# KiCad board panel_4_3.kicad_pcb (continued)
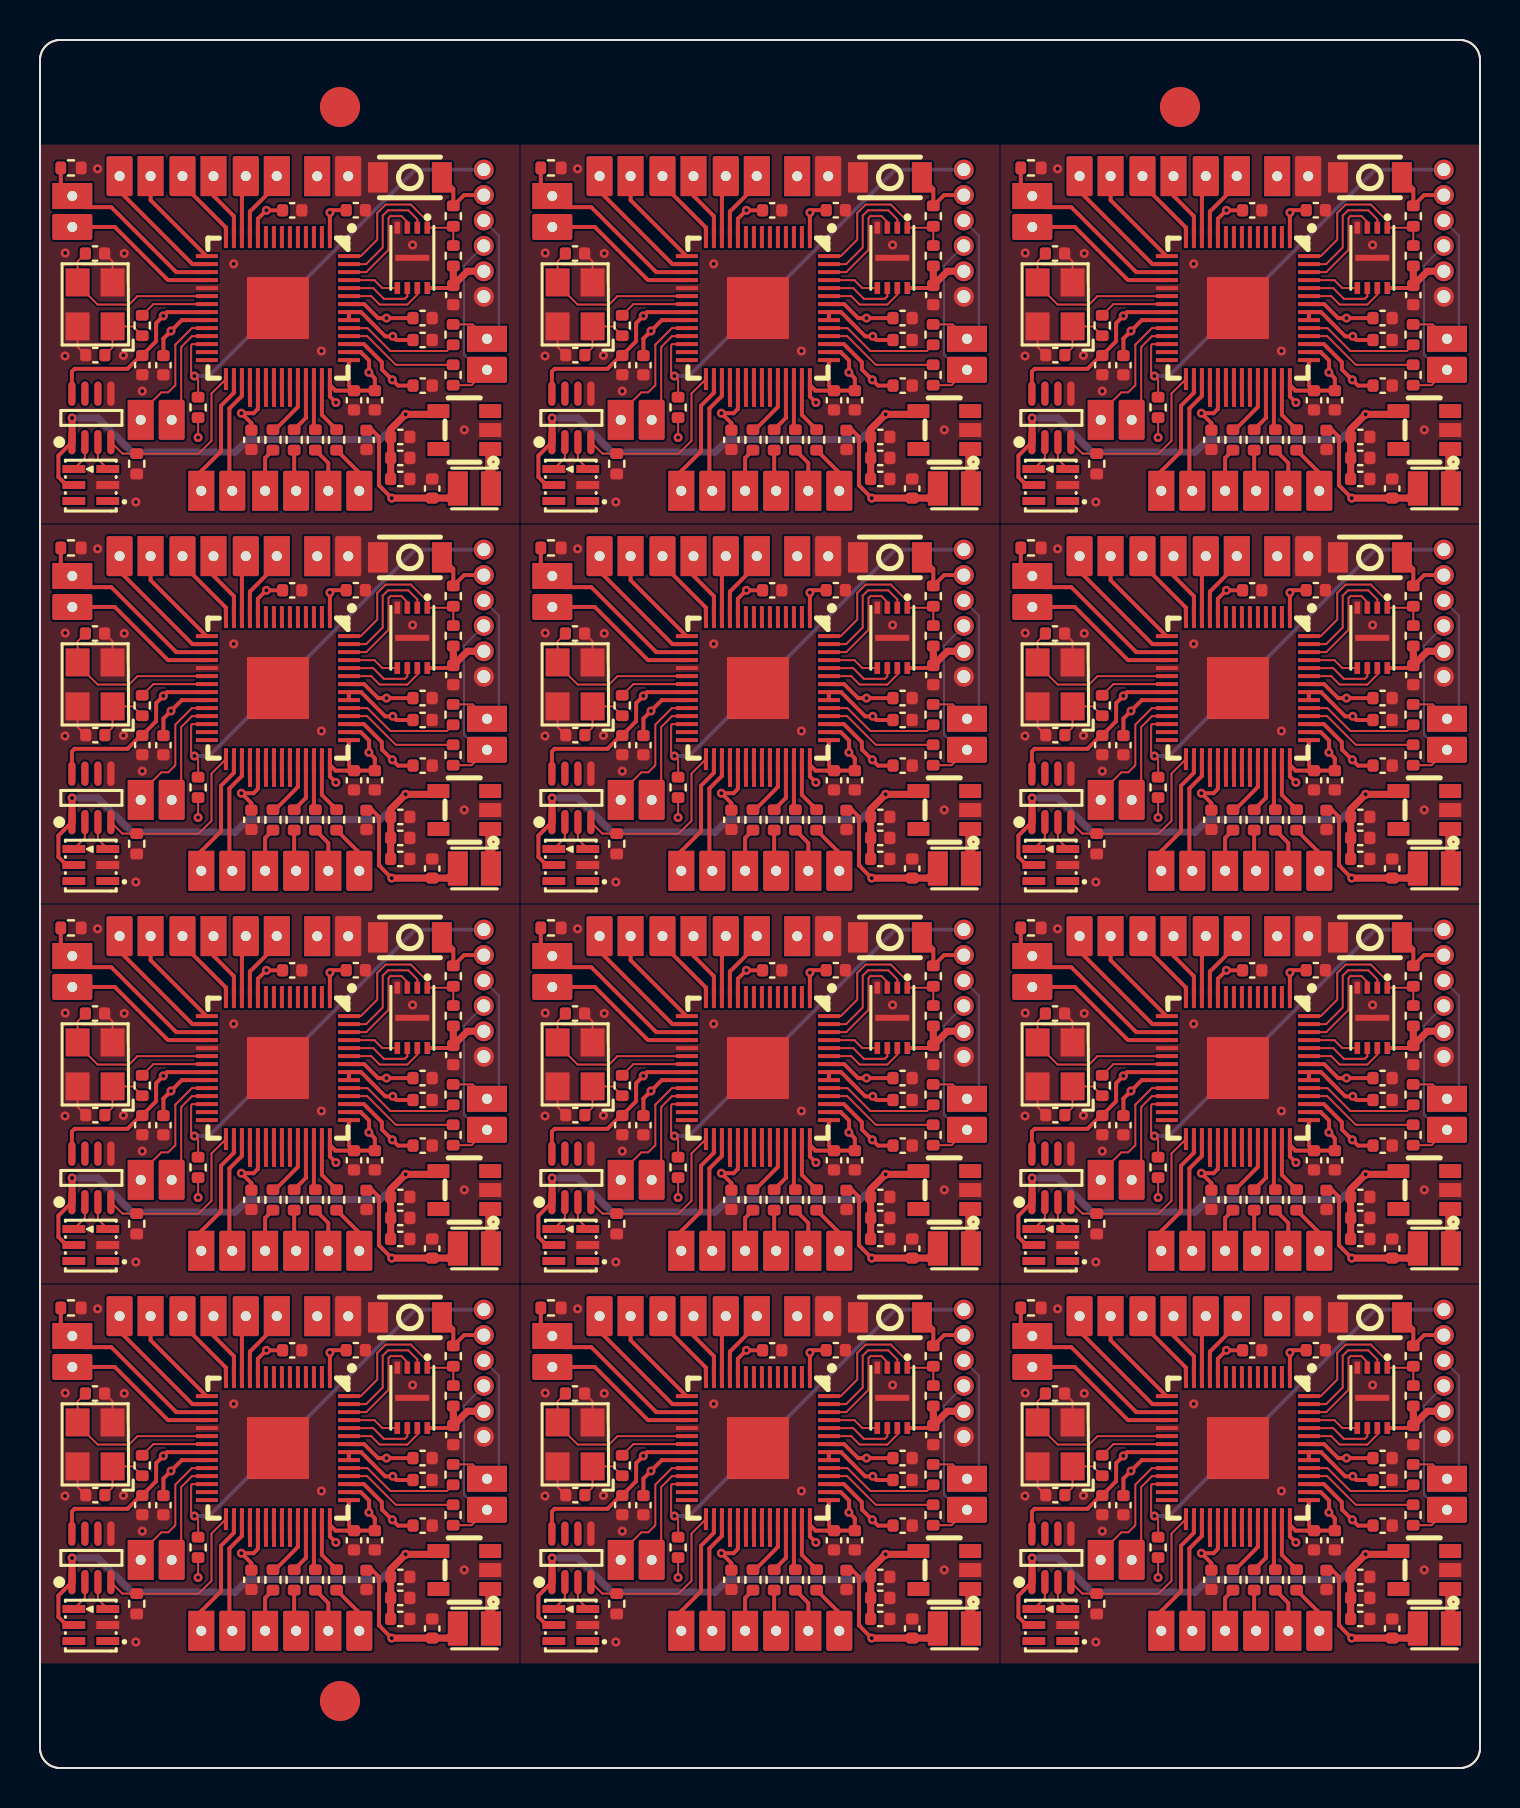
[diagram p0: board, top side]
## Placement (name value [footprint] x y rotation side) (continued)
J8#11  Conn_01x06  [ProgPins_1x06_P1.27mm]  22.19 41.92 0 top
J8#12  Conn_01x06  [ProgPins_1x06_P1.27mm]  22.19 22.92 0 top
J9  Conn_01x02  [TH_Pads_1x02_P1.50mml]  8.68 22.59 270 top
J9#2  Conn_01x02  [TH_Pads_1x02_P1.50mml]  56.68 79.59 270 top
J9#3  Conn_01x02  [TH_Pads_1x02_P1.50mml]  32.68 41.59 270 top
J9#4  Conn_01x02  [TH_Pads_1x02_P1.50mml]  56.68 22.59 270 top
J9#5  Conn_01x02  [TH_Pads_1x02_P1.50mml]  56.68 41.59 270 top
J9#6  Conn_01x02  [TH_Pads_1x02_P1.50mml]  32.68 79.59 270 top
J9#7  Conn_01x02  [TH_Pads_1x02_P1.50mml]  8.68 60.6 270 top
J9#8  Conn_01x02  [TH_Pads_1x02_P1.50mml]  56.68 60.6 270 top
J9#9  Conn_01x02  [TH_Pads_1x02_P1.50mml]  32.68 60.6 270 top
J9#10  Conn_01x02  [TH_Pads_1x02_P1.50mml]  8.68 79.59 270 top
J9#11  Conn_01x02  [TH_Pads_1x02_P1.50mml]  32.68 22.59 270 top
J9#12  Conn_01x02  [TH_Pads_1x02_P1.50mml]  8.68 41.59 270 top
J10  Conn_01x02  [TH_Pads_1x02_P1.50mml]  59.84 79.59 270 top
J10#2  Conn_01x02  [TH_Pads_1x02_P1.50mml]  35.84 41.59 270 top
J10#3  Conn_01x02  [TH_Pads_1x02_P1.50mml]  35.84 22.59 270 top
J10#4  Conn_01x02  [TH_Pads_1x02_P1.50mml]  11.84 41.59 270 top
J10#5  Conn_01x02  [TH_Pads_1x02_P1.50mml]  35.84 79.59 270 top
J10#6  Conn_01x02  [TH_Pads_1x02_P1.50mml]  35.84 60.6 270 top
J10#7  Conn_01x02  [TH_Pads_1x02_P1.50mml]  11.84 60.6 270 top
J10#8  Conn_01x02  [TH_Pads_1x02_P1.50mml]  59.84 60.6 270 top
J10#9  Conn_01x02  [TH_Pads_1x02_P1.50mml]  59.84 41.59 270 top
J10#10  Conn_01x02  [TH_Pads_1x02_P1.50mml]  11.84 79.59 270 top
J10#11  Conn_01x02  [TH_Pads_1x02_P1.50mml]  11.84 22.59 270 top
J10#12  Conn_01x02  [TH_Pads_1x02_P1.50mml]  59.84 22.59 270 top
J11  Conn_01x02  [TH_Pads_1x02_P1.50mml]  8.06 6.86 90 top
J11#2  Conn_01x02  [TH_Pads_1x02_P1.50mml]  32.06 63.86 90 top
J11#3  Conn_01x02  [TH_Pads_1x02_P1.50mml]  56.06 6.86 90 top
J11#4  Conn_01x02  [TH_Pads_1x02_P1.50mml]  8.06 44.86 90 top
J11#5  Conn_01x02  [TH_Pads_1x02_P1.50mml]  56.06 25.86 90 top
J11#6  Conn_01x02  [TH_Pads_1x02_P1.50mml]  32.06 6.86 90 top
J11#7  Conn_01x02  [TH_Pads_1x02_P1.50mml]  56.06 63.86 90 top
J11#8  Conn_01x02  [TH_Pads_1x02_P1.50mml]  32.06 25.86 90 top
J11#9  Conn_01x02  [TH_Pads_1x02_P1.50mml]  8.06 63.86 90 top
J11#10  Conn_01x02  [TH_Pads_1x02_P1.50mml]  8.06 25.86 90 top
J11#11  Conn_01x02  [TH_Pads_1x02_P1.50mml]  32.06 44.86 90 top
J11#12  Conn_01x02  [TH_Pads_1x02_P1.50mml]  56.06 44.86 90 top
J12  Conn_01x06  [Pad_6Pin]  59.5 28.48 0 top
J12#2  Conn_01x06  [Pad_6Pin]  59.5 66.48 0 top
J12#3  Conn_01x06  [Pad_6Pin]  35.5 28.48 0 top
J12#4  Conn_01x06  [Pad_6Pin]  59.5 47.48 0 top
J12#5  Conn_01x06  [Pad_6Pin]  59.5 9.48 0 top
J12#6  Conn_01x06  [Pad_6Pin]  35.5 47.48 0 top
J12#7  Conn_01x06  [Pad_6Pin]  11.5 28.48 0 top
J12#8  Conn_01x06  [Pad_6Pin]  35.5 66.48 0 top
J12#9  Conn_01x06  [Pad_6Pin]  11.5 47.48 0 top
J12#10  Conn_01x06  [Pad_6Pin]  11.5 9.48 0 top
J12#11  Conn_01x06  [Pad_6Pin]  11.5 66.48 0 top
J12#12  Conn_01x06  [Pad_6Pin]  35.5 9.48 0 top
L1  SPS20162R2MPCA  [IND-SMD_L2.0-W1.6]  45.72 25.98 180 top
L1#2  SPS20162R2MPCA  [IND-SMD_L2.0-W1.6]  21.72 25.98 180 top
L1#3  SPS20162R2MPCA  [IND-SMD_L2.0-W1.6]  21.72 63.98 180 top
L1#4  SPS20162R2MPCA  [IND-SMD_L2.0-W1.6]  69.72 6.98 180 top
L1#5  SPS20162R2MPCA  [IND-SMD_L2.0-W1.6]  69.72 63.98 180 top
L1#6  SPS20162R2MPCA  [IND-SMD_L2.0-W1.6]  21.72 44.98 180 top
L1#7  SPS20162R2MPCA  [IND-SMD_L2.0-W1.6]  45.72 6.98 180 top
L1#8  SPS20162R2MPCA  [IND-SMD_L2.0-W1.6]  69.72 44.98 180 top
L1#9  SPS20162R2MPCA  [IND-SMD_L2.0-W1.6]  69.72 25.98 180 top
L1#10  SPS20162R2MPCA  [IND-SMD_L2.0-W1.6]  45.72 63.98 180 top
L1#11  SPS20162R2MPCA  [IND-SMD_L2.0-W1.6]  21.72 6.98 180 top
L1#12  SPS20162R2MPCA  [IND-SMD_L2.0-W1.6]  45.72 44.98 180 top
LED1  SK9822-EC20  [LED-SMD_6P-L2.0-W2.0-P0.80-TL]  50.54 7.15 180 top
LED1#2  SK9822-EC20  [LED-SMD_6P-L2.0-W2.0-P0.80-TL]  2.54 64.15 180 top
LED1#3  SK9822-EC20  [LED-SMD_6P-L2.0-W2.0-P0.80-TL]  26.54 26.15 180 top
LED1#4  SK9822-EC20  [LED-SMD_6P-L2.0-W2.0-P0.80-TL]  26.54 45.15 180 top
LED1#5  SK9822-EC20  [LED-SMD_6P-L2.0-W2.0-P0.80-TL]  50.54 45.15 180 top
LED1#6  SK9822-EC20  [LED-SMD_6P-L2.0-W2.0-P0.80-TL]  2.54 7.15 180 top
LED1#7  SK9822-EC20  [LED-SMD_6P-L2.0-W2.0-P0.80-TL]  26.54 7.15 180 top
LED1#8  SK9822-EC20  [LED-SMD_6P-L2.0-W2.0-P0.80-TL]  50.54 26.15 180 top
LED1#9  SK9822-EC20  [LED-SMD_6P-L2.0-W2.0-P0.80-TL]  26.54 64.15 180 top
LED1#10  SK9822-EC20  [LED-SMD_6P-L2.0-W2.0-P0.80-TL]  2.54 26.15 180 top
LED1#11  SK9822-EC20  [LED-SMD_6P-L2.0-W2.0-P0.80-TL]  50.54 64.15 180 top
LED1#12  SK9822-EC20  [LED-SMD_6P-L2.0-W2.0-P0.80-TL]  2.54 45.15 180 top
R1  1k  [R_0402_1005Metric]  53.11 34.12 90 top
R1#2  1k  [R_0402_1005Metric]  5.11 53.13 90 top
R1#3  1k  [R_0402_1005Metric]  29.11 72.12 90 top
R1#4  1k  [R_0402_1005Metric]  5.11 15.12 90 top
R1#5  1k  [R_0402_1005Metric]  53.11 53.13 90 top
R1#6  1k  [R_0402_1005Metric]  5.11 72.12 90 top
R1#7  1k  [R_0402_1005Metric]  29.11 34.12 90 top
R1#8  1k  [R_0402_1005Metric]  29.11 15.12 90 top
R1#9  1k  [R_0402_1005Metric]  53.11 72.12 90 top
R1#10  1k  [R_0402_1005Metric]  53.11 15.12 90 top
R1#11  1k  [R_0402_1005Metric]  5.11 34.12 90 top
R1#12  1k  [R_0402_1005Metric]  29.11 53.13 90 top
R2  10k  [R_0402_1005Metric]  31.91 68.03 90 top
R2#2  10k  [R_0402_1005Metric]  55.91 49.03 90 top
R2#3  10k  [R_0402_1005Metric]  7.91 11.03 90 top
R2#4  10k  [R_0402_1005Metric]  55.91 68.03 90 top
R2#5  10k  [R_0402_1005Metric]  31.91 49.03 90 top
R2#6  10k  [R_0402_1005Metric]  55.91 30.03 90 top
R2#7  10k  [R_0402_1005Metric]  31.91 11.03 90 top
R2#8  10k  [R_0402_1005Metric]  7.91 68.03 90 top
R2#9  10k  [R_0402_1005Metric]  7.91 30.03 90 top
R2#10  10k  [R_0402_1005Metric]  31.91 30.03 90 top
R2#11  10k  [R_0402_1005Metric]  7.91 49.03 90 top
R2#12  10k  [R_0402_1005Metric]  55.91 11.03 90 top
R3  27  [R_0402_1005Metric]  68.66 33.67 90 top
R3#2  27  [R_0402_1005Metric]  44.66 33.67 90 top
R3#3  27  [R_0402_1005Metric]  44.66 52.67 90 top
R3#4  27  [R_0402_1005Metric]  68.66 14.67 90 top
R3#5  27  [R_0402_1005Metric]  44.66 14.67 90 top
R3#6  27  [R_0402_1005Metric]  20.66 14.67 90 top
R3#7  27  [R_0402_1005Metric]  20.66 33.67 90 top
R3#8  27  [R_0402_1005Metric]  68.66 52.67 90 top
R3#9  27  [R_0402_1005Metric]  20.66 71.67 90 top
R3#10  27  [R_0402_1005Metric]  68.66 71.67 90 top
R3#11  27  [R_0402_1005Metric]  20.66 52.67 90 top
R3#12  27  [R_0402_1005Metric]  44.66 71.67 90 top
R4  27  [R_0402_1005Metric]  20.66 69.65 270 top
R4#2  27  [R_0402_1005Metric]  44.66 31.65 270 top
R4#3  27  [R_0402_1005Metric]  44.66 12.65 270 top
R4#4  27  [R_0402_1005Metric]  44.66 69.65 270 top
R4#5  27  [R_0402_1005Metric]  68.66 12.65 270 top
R4#6  27  [R_0402_1005Metric]  20.66 12.65 270 top
R4#7  27  [R_0402_1005Metric]  68.66 31.65 270 top
R4#8  27  [R_0402_1005Metric]  44.66 50.65 270 top
R4#9  27  [R_0402_1005Metric]  68.66 69.65 270 top
R4#10  27  [R_0402_1005Metric]  20.66 31.65 270 top
R4#11  27  [R_0402_1005Metric]  68.66 50.65 270 top
R4#12  27  [R_0402_1005Metric]  20.66 50.65 270 top
R5  1k  [R_0402_1005Metric]  20.66 20.59 270 top
R5#2  1k  [R_0402_1005Metric]  44.66 58.6 270 top
R5#3  1k  [R_0402_1005Metric]  44.66 39.59 270 top
R5#4  1k  [R_0402_1005Metric]  44.66 77.59 270 top
R5#5  1k  [R_0402_1005Metric]  68.66 58.6 270 top
R5#6  1k  [R_0402_1005Metric]  68.66 39.59 270 top
R5#7  1k  [R_0402_1005Metric]  68.66 77.59 270 top
R5#8  1k  [R_0402_1005Metric]  20.66 58.6 270 top
R5#9  1k  [R_0402_1005Metric]  20.66 77.59 270 top
R5#10  1k  [R_0402_1005Metric]  68.66 20.59 270 top
R5#11  1k  [R_0402_1005Metric]  20.66 39.59 270 top
R5#12  1k  [R_0402_1005Metric]  44.66 20.59 270 top
R6  10k  [R_0402_1005Metric]  68.66 75.61 90 top
R6#2  10k  [R_0402_1005Metric]  20.66 56.61 90 top
R6#3  10k  [R_0402_1005Metric]  20.66 18.61 90 top
R6#4  10k  [R_0402_1005Metric]  20.66 75.61 90 top
R6#5  10k  [R_0402_1005Metric]  44.66 37.61 90 top
R6#6  10k  [R_0402_1005Metric]  68.66 56.61 90 top
R6#7  10k  [R_0402_1005Metric]  44.66 75.61 90 top
R6#8  10k  [R_0402_1005Metric]  20.66 37.61 90 top
R6#9  10k  [R_0402_1005Metric]  68.66 37.61 90 top
R6#10  10k  [R_0402_1005Metric]  44.66 18.61 90 top
R6#11  10k  [R_0402_1005Metric]  68.66 18.61 90 top
R6#12  10k  [R_0402_1005Metric]  44.66 56.61 90 top
R7  10K  [R_0402_1005Metric]  28.84 27.21 90 top
R7#2  10K  [R_0402_1005Metric]  52.84 46.21 90 top
R7#3  10K  [R_0402_1005Metric]  4.83 65.21 90 top
R7#4  10K  [R_0402_1005Metric]  28.84 65.21 90 top
R7#5  10K  [R_0402_1005Metric]  52.84 65.21 90 top
R7#6  10K  [R_0402_1005Metric]  4.83 46.21 90 top
R7#7  10K  [R_0402_1005Metric]  28.84 46.21 90 top
R7#8  10K  [R_0402_1005Metric]  4.83 8.21 90 top
R7#9  10K  [R_0402_1005Metric]  52.84 8.21 90 top
R7#10  10K  [R_0402_1005Metric]  4.83 27.21 90 top
R7#11  10K  [R_0402_1005Metric]  52.84 27.21 90 top
R7#12  10K  [R_0402_1005Metric]  28.84 8.21 90 top
R8  47  [R_0402_1005Metric]  59.65 47.41 270 top
R8#2  47  [R_0402_1005Metric]  59.65 9.41 270 top
R8#3  47  [R_0402_1005Metric]  11.65 66.41 270 top
R8#4  47  [R_0402_1005Metric]  35.65 9.41 270 top
R8#5  47  [R_0402_1005Metric]  35.65 28.41 270 top
R8#6  47  [R_0402_1005Metric]  59.65 66.41 270 top
R8#7  47  [R_0402_1005Metric]  11.65 28.41 270 top
R8#8  47  [R_0402_1005Metric]  35.65 47.41 270 top
R8#9  47  [R_0402_1005Metric]  11.65 9.41 270 top
R8#10  47  [R_0402_1005Metric]  35.65 66.41 270 top
R8#11  47  [R_0402_1005Metric]  59.65 28.41 270 top
R8#12  47  [R_0402_1005Metric]  11.65 47.41 270 top
R9  47  [R_0402_1005Metric]  60.71 9.41 270 top
R9#2  47  [R_0402_1005Metric]  36.71 47.41 270 top
R9#3  47  [R_0402_1005Metric]  12.71 66.41 270 top
R9#4  47  [R_0402_1005Metric]  36.71 28.41 270 top
R9#5  47  [R_0402_1005Metric]  60.71 47.41 270 top
R9#6  47  [R_0402_1005Metric]  36.71 66.41 270 top
R9#7  47  [R_0402_1005Metric]  12.71 28.41 270 top
R9#8  47  [R_0402_1005Metric]  12.71 9.41 270 top
R9#9  47  [R_0402_1005Metric]  36.71 9.41 270 top
R9#10  47  [R_0402_1005Metric]  12.71 47.41 270 top
R9#11  47  [R_0402_1005Metric]  60.71 66.41 270 top
R9#12  47  [R_0402_1005Metric]  60.71 28.41 270 top
R10  47  [R_0402_1005Metric]  13.77 66.41 270 top
R10#2  47  [R_0402_1005Metric]  61.77 47.41 270 top
R10#3  47  [R_0402_1005Metric]  13.77 47.41 270 top
R10#4  47  [R_0402_1005Metric]  61.77 66.41 270 top
R10#5  47  [R_0402_1005Metric]  13.77 9.41 270 top
R10#6  47  [R_0402_1005Metric]  37.77 47.41 270 top
R10#7  47  [R_0402_1005Metric]  61.77 28.41 270 top
R10#8  47  [R_0402_1005Metric]  37.77 66.41 270 top
R10#9  47  [R_0402_1005Metric]  37.77 9.41 270 top
R10#10  47  [R_0402_1005Metric]  61.77 9.41 270 top
R10#11  47  [R_0402_1005Metric]  37.77 28.41 270 top
R10#12  47  [R_0402_1005Metric]  13.77 28.41 270 top
R11  47  [R_0402_1005Metric]  14.83 66.41 270 top
R11#2  47  [R_0402_1005Metric]  62.83 47.41 270 top
R11#3  47  [R_0402_1005Metric]  62.83 28.41 270 top
R11#4  47  [R_0402_1005Metric]  38.83 9.41 270 top
R11#5  47  [R_0402_1005Metric]  14.83 47.41 270 top
R11#6  47  [R_0402_1005Metric]  62.83 9.41 270 top
R11#7  47  [R_0402_1005Metric]  14.83 28.41 270 top
R11#8  47  [R_0402_1005Metric]  38.83 66.41 270 top
R11#9  47  [R_0402_1005Metric]  14.83 9.41 270 top
R11#10  47  [R_0402_1005Metric]  38.83 47.41 270 top
R11#11  47  [R_0402_1005Metric]  38.83 28.41 270 top
R11#12  47  [R_0402_1005Metric]  62.83 66.41 270 top
R12  10k  [R_0402_1005Metric]  25.55 42.01 0 top
R12#2  10k  [R_0402_1005Metric]  25.55 61.01 0 top
R12#3  10k  [R_0402_1005Metric]  49.55 42.01 0 top
R12#4  10k  [R_0402_1005Metric]  1.55 61.01 0 top
R12#5  10k  [R_0402_1005Metric]  1.55 80.01 0 top
R12#6  10k  [R_0402_1005Metric]  1.55 23.01 0 top
R12#7  10k  [R_0402_1005Metric]  49.55 23.01 0 top
R12#8  10k  [R_0402_1005Metric]  25.55 80.01 0 top
R12#9  10k  [R_0402_1005Metric]  1.55 42.01 0 top
R12#10  10k  [R_0402_1005Metric]  49.55 80.01 0 top
R12#11  10k  [R_0402_1005Metric]  49.55 61.01 0 top
R12#12  10k  [R_0402_1005Metric]  25.55 23.01 0 top
REF**  -  [Fiducial]  57 83.05 0 top
REF**#2  -  [Fiducial]  15 3.35 0 top
REF**#3  -  [Fiducial]  15 83.05 0 top
REF**#4  -  [Fiducial]  15 3.35 0 bottom
REF**#5  -  [Fiducial]  15 83.05 0 bottom
REF**#6  -  [Fiducial]  57 83.05 0 bottom
SW1  EVPAWED40  [KEY-SMD_L3.0-W2.0-LS3.5]  42.5 22.53 180 top
SW1#2  EVPAWED40  [KEY-SMD_L3.0-W2.0-LS3.5]  18.5 22.53 180 top
SW1#3  EVPAWED40  [KEY-SMD_L3.0-W2.0-LS3.5]  42.5 41.53 180 top
SW1#4  EVPAWED40  [KEY-SMD_L3.0-W2.0-LS3.5]  18.5 60.53 180 top
SW1#5  EVPAWED40  [KEY-SMD_L3.0-W2.0-LS3.5]  42.5 79.53 180 top
SW1#6  EVPAWED40  [KEY-SMD_L3.0-W2.0-LS3.5]  18.5 79.53 180 top
SW1#7  EVPAWED40  [KEY-SMD_L3.0-W2.0-LS3.5]  66.5 22.53 180 top
SW1#8  EVPAWED40  [KEY-SMD_L3.0-W2.0-LS3.5]  66.5 79.53 180 top
SW1#9  EVPAWED40  [KEY-SMD_L3.0-W2.0-LS3.5]  42.5 60.53 180 top
SW1#10  EVPAWED40  [KEY-SMD_L3.0-W2.0-LS3.5]  66.5 41.53 180 top
SW1#11  EVPAWED40  [KEY-SMD_L3.0-W2.0-LS3.5]  18.5 41.53 180 top
SW1#12  EVPAWED40  [KEY-SMD_L3.0-W2.0-LS3.5]  66.5 60.53 180 top
U1  RP2040  [LQFN-56_L7.0-W7.0-P0.4-EP]  11.89 35 270 top
U1#2  RP2040  [LQFN-56_L7.0-W7.0-P0.4-EP]  59.9 54 270 top
U1#3  RP2040  [LQFN-56_L7.0-W7.0-P0.4-EP]  11.89 54 270 top
U1#4  RP2040  [LQFN-56_L7.0-W7.0-P0.4-EP]  35.9 16 270 top
U1#5  RP2040  [LQFN-56_L7.0-W7.0-P0.4-EP]  59.9 35 270 top
U1#6  RP2040  [LQFN-56_L7.0-W7.0-P0.4-EP]  11.89 16 270 top
U1#7  RP2040  [LQFN-56_L7.0-W7.0-P0.4-EP]  11.89 73 270 top
U1#8  RP2040  [LQFN-56_L7.0-W7.0-P0.4-EP]  35.9 35 270 top
U1#9  RP2040  [LQFN-56_L7.0-W7.0-P0.4-EP]  59.9 73 270 top
U1#10  RP2040  [LQFN-56_L7.0-W7.0-P0.4-EP]  35.9 54 270 top
U1#11  RP2040  [LQFN-56_L7.0-W7.0-P0.4-EP]  35.9 73 270 top
U1#12  RP2040  [LQFN-56_L7.0-W7.0-P0.4-EP]  59.9 16 270 top
U2  W25Q16JVUXIQ  [USON-8_L3.0-W2.0-P0.50-BL-EP]  18.62 56.51 180 top
U2#2  W25Q16JVUXIQ  [USON-8_L3.0-W2.0-P0.50-BL-EP]  18.62 75.51 180 top
U2#3  W25Q16JVUXIQ  [USON-8_L3.0-W2.0-P0.50-BL-EP]  66.62 18.51 180 top
U2#4  W25Q16JVUXIQ  [USON-8_L3.0-W2.0-P0.50-BL-EP]  66.62 37.51 180 top
U2#5  W25Q16JVUXIQ  [USON-8_L3.0-W2.0-P0.50-BL-EP]  42.62 18.51 180 top
U2#6  W25Q16JVUXIQ  [USON-8_L3.0-W2.0-P0.50-BL-EP]  42.62 56.51 180 top
U2#7  W25Q16JVUXIQ  [USON-8_L3.0-W2.0-P0.50-BL-EP]  66.62 75.51 180 top
U2#8  W25Q16JVUXIQ  [USON-8_L3.0-W2.0-P0.50-BL-EP]  18.62 37.51 180 top
U2#9  W25Q16JVUXIQ  [USON-8_L3.0-W2.0-P0.50-BL-EP]  42.62 75.51 180 top
U2#10  W25Q16JVUXIQ  [USON-8_L3.0-W2.0-P0.50-BL-EP]  42.62 37.51 180 top
U2#11  W25Q16JVUXIQ  [USON-8_L3.0-W2.0-P0.50-BL-EP]  18.62 18.51 180 top
U2#12  W25Q16JVUXIQ  [USON-8_L3.0-W2.0-P0.50-BL-EP]  66.62 56.51 180 top
U3  RS0102YH8  [SOT-23-8_L3.0-W1.7-P0.65-LS2.8-BL]  50.57 29.51 0 top
U3#2  RS0102YH8  [SOT-23-8_L3.0-W1.7-P0.65-LS2.8-BL]  2.57 10.51 0 top
U3#3  RS0102YH8  [SOT-23-8_L3.0-W1.7-P0.65-LS2.8-BL]  26.57 67.5 0 top
U3#4  RS0102YH8  [SOT-23-8_L3.0-W1.7-P0.65-LS2.8-BL]  2.57 48.51 0 top
U3#5  RS0102YH8  [SOT-23-8_L3.0-W1.7-P0.65-LS2.8-BL]  50.57 10.51 0 top
U3#6  RS0102YH8  [SOT-23-8_L3.0-W1.7-P0.65-LS2.8-BL]  2.57 29.51 0 top
U3#7  RS0102YH8  [SOT-23-8_L3.0-W1.7-P0.65-LS2.8-BL]  26.57 29.51 0 top
U3#8  RS0102YH8  [SOT-23-8_L3.0-W1.7-P0.65-LS2.8-BL]  2.57 67.5 0 top
U3#9  RS0102YH8  [SOT-23-8_L3.0-W1.7-P0.65-LS2.8-BL]  50.57 67.5 0 top
U3#10  RS0102YH8  [SOT-23-8_L3.0-W1.7-P0.65-LS2.8-BL]  26.57 10.51 0 top
U3#11  RS0102YH8  [SOT-23-8_L3.0-W1.7-P0.65-LS2.8-BL]  26.57 48.51 0 top
U3#12  RS0102YH8  [SOT-23-8_L3.0-W1.7-P0.65-LS2.8-BL]  50.57 48.51 0 top
U4  TPS613222ADBVR  [TSOT-23-5_L2.9-W1.6-P0.95-LS2.8-BR]  21.22 47.9 0 top
U4#2  TPS613222ADBVR  [TSOT-23-5_L2.9-W1.6-P0.95-LS2.8-BR]  21.22 28.9 0 top
U4#3  TPS613222ADBVR  [TSOT-23-5_L2.9-W1.6-P0.95-LS2.8-BR]  45.22 66.9 0 top
U4#4  TPS613222ADBVR  [TSOT-23-5_L2.9-W1.6-P0.95-LS2.8-BR]  69.22 9.9 0 top
U4#5  TPS613222ADBVR  [TSOT-23-5_L2.9-W1.6-P0.95-LS2.8-BR]  69.22 28.9 0 top
U4#6  TPS613222ADBVR  [TSOT-23-5_L2.9-W1.6-P0.95-LS2.8-BR]  45.22 9.9 0 top
U4#7  TPS613222ADBVR  [TSOT-23-5_L2.9-W1.6-P0.95-LS2.8-BR]  45.22 47.9 0 top
U4#8  TPS613222ADBVR  [TSOT-23-5_L2.9-W1.6-P0.95-LS2.8-BR]  45.22 28.9 0 top
U4#9  TPS613222ADBVR  [TSOT-23-5_L2.9-W1.6-P0.95-LS2.8-BR]  69.22 47.9 0 top
U4#10  TPS613222ADBVR  [TSOT-23-5_L2.9-W1.6-P0.95-LS2.8-BR]  21.22 9.9 0 top
U4#11  TPS613222ADBVR  [TSOT-23-5_L2.9-W1.6-P0.95-LS2.8-BR]  69.22 66.9 0 top
U4#12  TPS613222ADBVR  [TSOT-23-5_L2.9-W1.6-P0.95-LS2.8-BR]  21.22 66.9 0 top
X1  SMD-3225_4P_12.000MHZ_9PF  [OSC-SMD_4P-L3.2-W2.5-BL]  2.75 54.18 90 top
X1#2  SMD-3225_4P_12.000MHZ_9PF  [OSC-SMD_4P-L3.2-W2.5-BL]  26.75 35.18 90 top
X1#3  SMD-3225_4P_12.000MHZ_9PF  [OSC-SMD_4P-L3.2-W2.5-BL]  26.75 73.18 90 top
X1#4  SMD-3225_4P_12.000MHZ_9PF  [OSC-SMD_4P-L3.2-W2.5-BL]  26.75 54.18 90 top
X1#5  SMD-3225_4P_12.000MHZ_9PF  [OSC-SMD_4P-L3.2-W2.5-BL]  2.75 35.18 90 top
X1#6  SMD-3225_4P_12.000MHZ_9PF  [OSC-SMD_4P-L3.2-W2.5-BL]  50.75 16.18 90 top
X1#7  SMD-3225_4P_12.000MHZ_9PF  [OSC-SMD_4P-L3.2-W2.5-BL]  50.75 54.18 90 top
X1#8  SMD-3225_4P_12.000MHZ_9PF  [OSC-SMD_4P-L3.2-W2.5-BL]  26.75 16.18 90 top
X1#9  SMD-3225_4P_12.000MHZ_9PF  [OSC-SMD_4P-L3.2-W2.5-BL]  50.75 73.18 90 top
X1#10  SMD-3225_4P_12.000MHZ_9PF  [OSC-SMD_4P-L3.2-W2.5-BL]  50.75 35.18 90 top
X1#11  SMD-3225_4P_12.000MHZ_9PF  [OSC-SMD_4P-L3.2-W2.5-BL]  2.75 73.18 90 top
X1#12  SMD-3225_4P_12.000MHZ_9PF  [OSC-SMD_4P-L3.2-W2.5-BL]  2.75 16.18 90 top

## Library data of the parts
C1 C1#2-C1#12 C3 C3#2-C3#12 = -: Description: 50V 27pF C0G   5% 0402 Multilayer Ceramic Capacitors MLCC - SMD SMT ROHS; LCSC: C1557; MFG: FH(Guangdong Fenghua Advanced Tech); MFGPN: 0402CG270J500NT
C2 C2#2-C2#12 C4 C4#2-C4#12 C7 C7#2-C7#12 C8 C8#2-C8#12 C9 C9#2-C9#12 C10 C10#2-C10#12 C11 C11#2-C11#12 C12 C12#2-C12#12 C13 C13#2-C13#12 C14 C14#2-C14#12 = -: Description: 16V 100nF X7R   10% 0402 Multilayer Ceramic Capacitors MLCC - SMD SMT ROHS; LCSC: C1525; MFG: Samsung Electro-Mechanics; MFGPN: CL05B104KO5NNNC
C5 C5#2-C5#12 C6 C6#2-C6#12 = -: Description: 25V 1uF X5R   10% 0402 Multilayer Ceramic Capacitors MLCC - SMD SMT ROHS; LCSC: C52923; MFG: Samsung Electro-Mechanics; MFGPN: CL05A105KA5NQNC
C15 C15#2-C15#12 = -: Description: 10V 4 7uF X5R   20% 0402 Multilayer Ceramic Capacitors MLCC - SMD SMT ROHS; LCSC: C23733; MFG: Samsung Electro-Mechanics; MFGPN: CL05A475MP5NRNC
C16 C16#2-C16#12 C17 C17#2-C17#12 = -: Description: 6 3V 10uF X5R   20% 0402 Multilayer Ceramic Capacitors MLCC - SMD SMT ROHS; LCSC: C15525; MFG: Samsung Electro-Mechanics; MFGPN: CL05A106MQ5NUNC
C18 C18#2-C18#12 = -: Description: 6 3V 2 2uF X5R   20% 0402 Multilayer Ceramic Capacitors MLCC - SMD SMT ROHS; LCSC: C12530; MFG: Samsung Electro-Mechanics; MFGPN: CL05A225MQ5NSNC
J1 J1#2-J1#12 J2 J2#2-J2#12 J3 J3#2-J3#12 J4 J4#2-J4#12 J5 J5#2-J5#12 J6 J6#2-J6#12 J7 J7#2-J7#12 J9 J9#2-J9#12 J10 J10#2-J10#12 J11 J11#2-J11#12 = -: Description: Generic connector, single row, 01x02, script generated (kicad-library-utils/schlib/autogen/connector/)
J8 J8#2-J8#12 J12 J12#2-J12#12 = -: Description: Generic connector, single row, 01x06, script generated (kicad-library-utils/schlib/autogen/connector/)
L1 L1#2-L1#12 = -: SuppliersPartNumber: C359305; uuid: std:4913690127d54011a41724252df8b68b
LED1 LED1#2-LED1#12 = -: SuppliersPartNumber: C2909059; uuid: std:c69cef1d446547e69462ac71b90fa086
R1 R1#2-R1#12 R5 R5#2-R5#12 = -: Description: 1% 1 16W Thick Film Resistors 50V   100ppm    -55    155   1k   0402 Chip Resistor - Surface Mount ROHS; LCSC: C11702; MFG: UNI-ROYAL(Uniroyal Elec); MFGPN: 0402WGF1001TCE
R2 R2#2-R2#12 R6 R6#2-R6#12 R12 R12#2-R12#12 = -: Description: 1% 1 16W Thick Film Resistors 50V   100ppm    -55    155   10k   0402 Chip Resistor - Surface Mount ROHS; LCSC: C25744; MFG: UNI-ROYAL(Uniroyal Elec); MFGPN: 0402WGF1002TCE
R3 R3#2-R3#12 R4 R4#2-R4#12 = -: Description: 1% 1 16W Thick Film Resistors 50V   100ppm    -55    155   27k   0402 Chip Resistor - Surface Mount ROHS; LCSC: C25100; MFG: UniOhm; MFGPN: 0402WGF270JTCE
R8 R8#2-R8#12 R9 R9#2-R9#12 R10 R10#2-R10#12 R11 R11#2-R11#12 = -: Description: 1% 1 16W Thick Film Resistors 50V   200ppm    -55    155   47   0402 Chip Resistor - Surface Mount ROHS; LCSC: C25118; MFG: UNI-ROYAL(Uniroyal Elec); MFGPN: 0402WGF470JTCE
SW1 SW1#2-SW1#12 = -: SuppliersPartNumber: C2858607; uuid: std:b3d2281db68646f2b0685a65c68733f5
U1 U1#2-U1#12 = -: SuppliersPartNumber: C2040; uuid: std:c2754a5dac404cb1b757213b56759c67
U2 U2#2-U2#12 = -: SuppliersPartNumber: C2843335; uuid: std:66ae94394ed740d3b0137599308f54a6
U3 U3#2-U3#12 = -: SuppliersPartNumber: C783414; uuid: std:2e74ffe38c7643aaa1947657ff03c6a8
U4 U4#2-U4#12 = -: SuppliersPartNumber: C2071163; uuid: std:384fc4d7dad846f999ae349e00090a25
X1 X1#2-X1#12 = -: SuppliersPartNumber: C362368; uuid: std:de6bf95d1c734ee9b9ab1b97c5f93dbc

## Footprints (pads in the part's own frame, mm; a bottom-side part is the same pattern mirrored in y, then rotated)
C_0402_1005Metric
  rrect 0.56x0.62 smd: 1(-0.48,0) 2(0.48,0)
Fiducial
  round 2 smd: (0,0)
IND-SMD_L2.0-W1.6
  rect 1x1.72 smd: 1(0.828,0) 2(-0.828,0)
KEY-SMD_L3.0-W2.0-LS3.5
  rect 1x1.524 smd: 1(-1.6,0) 2(1.6,0)
LED-SMD_6P-L2.0-W2.0-P0.80-TL
  rect 1.145x0.4 smd: 1(-0.848,0.8) 2(-0.848,0) 3(-0.848,-0.8) 4(0.848,-0.8) 5(0.848,0) 6(0.848,0.8)
LQFN-56_L7.0-W7.0-P0.4-EP
  rect 1.1x0.2 smd: 1(-3.55,2.6) 2(-3.55,2.2) 3(-3.55,1.8) 4(-3.55,1.4) 5(-3.55,1) 6(-3.55,0.6) 7(-3.55,0.2) 8(-3.55,-0.2) 9(-3.55,-0.6) 10(-3.55,-1) 11(-3.55,-1.4) 12(-3.55,-1.8) 13(-3.55,-2.2) 14(-3.55,-2.6) 29(3.55,-2.6) 30(3.55,-2.2) 31(3.55,-1.8) 32(3.55,-1.4) 33(3.55,-1) 34(3.55,-0.6) 35(3.55,-0.2) 36(3.55,0.2) 37(3.55,0.6) 38(3.55,1) 39(3.55,1.4) 40(3.55,1.8) 41(3.55,2.2) 42(3.55,2.6)
  rect 0.2x1.1 smd: 15(-2.6,-3.55) 16(-2.2,-3.55) 17(-1.8,-3.55) 18(-1.4,-3.55) 19(-1,-3.55) 20(-0.6,-3.55) 21(-0.2,-3.55) 22(0.2,-3.55) 23(0.6,-3.55) 24(1,-3.55) 25(1.4,-3.55) 26(1.8,-3.55) 27(2.2,-3.55) 28(2.6,-3.55) 43(2.6,3.55) 44(2.2,3.55) 45(1.8,3.55) 46(1.4,3.55) 47(1,3.55) 48(0.6,3.55) 49(0.2,3.55) 50(-0.2,3.55) 51(-0.6,3.55) 52(-1,3.55) 53(-1.4,3.55) 54(-1.8,3.55) 55(-2.2,3.55) 56(-2.6,3.55)
  rect 3.1x3.1 smd: 57(0,0)
OSC-SMD_4P-L3.2-W2.5-BL
  rect 1.4x1.2 smd: 1(-1.1,-0.875) 2(1.1,-0.875) 3(1.1,0.875) 4(-1.1,0.875)
Pad_6Pin
  rect 0.2x0.55 smd: 1(-1,1.85) 2(-0.6,1.85) 3(-0.2,1.85) 4(0.2,1.85) 5(0.6,1.85) 6(1,1.85)
ProgPins_1x06_P1.27mm
  oval 1x1 hole 0.65: 1(0,0) 2(0,-1.27) 3(0,-2.54) 4(0,-3.81) 5(0,-5.08) 6(0,-6.35)
R_0402_1005Metric
  rrect 0.54x0.64 smd: 1(-0.51,0) 2(0.51,0)
SOT-23-8_L3.0-W1.7-P0.65-LS2.8-BL
  oval 0.364x1.222 smd: 1(-0.975,-1.211) 2(-0.325,-1.211) 3(0.325,-1.211) 4(0.975,-1.211) 5(0.975,1.211) 6(0.325,1.211) 7(-0.325,1.211) 8(-0.975,1.211)
TH_Pads_1x02_P1.50mml
  rect 2x1.3 hole 0.5: 1(0,0)
  rrect 2x1.3 hole 0.5: 2(0,-1.55)
TSOT-23-5_L2.9-W1.6-P0.95-LS2.8-BR
  rect 1.1x0.7 smd: 1(1.294,-0.951) 2(1.294,-0.001) 3(1.294,0.951) 4(-1.294,0.951) 5(-1.294,-0.949)
USON-8_L3.0-W2.0-P0.50-BL-EP
  rect 0.28x0.6 smd: 1(-0.75,-1.507) 2(-0.25,-1.507) 3(0.25,-1.507) 4(0.75,-1.507) 5(0.75,1.507) 6(0.25,1.507) 7(-0.25,1.507) 8(-0.75,1.507)
  rect 1.7x0.3 smd: 9(0,0)

## Nets
Board_0-+1V1: C2.1 C4#5.1 C5#12.1 U1#7.23 U1#7.45 U1#7.50
Board_0-+3V3: C6#11.2 C7#12.1 C8#5.1 C9#8.1 C10#4.1 C11#3.1 C12#5.1 C13.1 C14#2.1 C15#10.1 J1#11.1 J8#7.5 J12#11.2 L1#3.1 R2#8.1 R6#4.1 U1#7.1 U1#7.10 U1#7.22 U1#7.33 U1#7.42 U1#7.43 U1#7.44 U1#7.48 U1#7.49 U2#2.8 U3#8.8
Board_0-+5V: C16#5.1 C17#10.1 C18.1 LED1#2.5 U3#8.1 U4#12.4
Board_0-BOOT: J8#7.2 R5#9.1 SW1#6.1
Board_0-D+: J5#2.1 J8#7.3 R3#9.2
Board_0-D-: J5#2.2 J8#7.4 R4.2
Board_0-DBG_CLK: J7#9.1 U1#7.24
Board_0-DBG_DAT: J7#9.2 U1#7.25
Board_0-GND: C1#3.1 C2.2 C3#7.2 C4#5.2 C5#12.2 C6#11.1 C7#12.2 C8#5.2 C9#8.2 C10#4.2 C11#3.2 C12#5.2 C13.2 C14#2.2 C15#10.2 C16#5.2 C17#10.2 C18.2 J1#11.2 J8#7.6 LED1#2.2 R7#3.1 R12#5.2 SW1#6.2 U1#7.19 U1#7.57 U2#2.4 U2#2.9 U3#8.5 U4#12.2 X1#11.2 X1#11.4
Board_0-LED_CLK: U3#8.7
Board_0-LED_CLK_5V: LED1#2.4 U3#8.2
Board_0-LED_DATA: U3#8.6
Board_0-LED_DATA_5V: LED1#2.3 U3#8.3
Board_0-LED_EN: R7#3.2 U1#7.29 U3#8.4
Board_0-Net-(U1-GPIO26_ADC0): R8#3.1 U1#7.38
Board_0-Net-(U1-GPIO27_ADC1): R9#3.1 U1#7.39
Board_0-Net-(U1-GPIO28_ADC2): R10.1 U1#7.40
Board_0-Net-(U1-GPIO29_ADC3): R11.1 U1#7.41
Board_0-Net-(U1-USB_DM): R4.1 U1#7.46
Board_0-Net-(U1-USB_DP): R3#9.1 U1#7.47
Board_0-Net-(U4-SW): L1#3.2 U4#12.1
Board_0-Net-(X1-OSC1): C1#3.2 R1#6.1 X1#11.1
Board_0-NS_8: J10#10.1 U1#7.11
Board_0-NS_9: J10#10.2 U1#7.12
Board_0-NS_10: J9#10.1 U1#7.13
Board_0-NS_11: J9#10.2 U1#7.14
Board_0-NS_19: J11#9.1 U1#7.30
Board_0-NS_20: J11#9.2 U1#7.31
Board_0-NS_CLK: J3#3.2 R9#3.2
Board_0-NS_CMD: J4#8.1 R10.2
Board_0-NS_CPU: J2#2.2 U1#7.18
Board_0-NS_CPU_PD: J2#2.1 R12#5.1 U1#7.17
Board_0-NS_D0: J4#8.2 R11.2
Board_0-NS_RST: J3#3.1 R8#3.2
Board_0-NS_SCL: J6#11.2 U1#7.16
Board_0-NS_SDA: J6#11.1 U1#7.15
Board_0-PAD_21: J12#11.1 U1#7.32
Board_0-PAD_22: J12#11.3 U1#7.34
Board_0-PAD_23: J12#11.4 U1#7.35
Board_0-PAD_24: J12#11.5 U1#7.36
Board_0-PAD_25: J12#11.6 U1#7.37
Board_0-QSPI_CS: R5#9.2 R6#4.2 U1#7.56 U2#2.1
Board_0-QSPI_SCK: U1#7.52 U2#2.6
Board_0-QSPI_SD0: U1#7.53 U2#2.5
Board_0-QSPI_SD1: U1#7.55 U2#2.2
Board_0-QSPI_SD2: U1#7.54 U2#2.3
Board_0-QSPI_SD3: U1#7.51 U2#2.7
Board_0-RST: J8#7.1 R2#8.2 U1#7.26
Board_0-unconnected-(LED1-CKO-Pad6): LED1#2.6
Board_0-unconnected-(LED1-SDO-Pad1): LED1#2.1
Board_0-unconnected-(U1-GPIO0-Pad2): U1#7.2
Board_0-unconnected-(U1-GPIO1-Pad3): U1#7.3
Board_0-unconnected-(U1-GPIO2-Pad4): U1#7.4
Board_0-unconnected-(U1-GPIO3-Pad5): U1#7.5
Board_0-unconnected-(U1-GPIO4-Pad6): U1#7.6
Board_0-unconnected-(U1-GPIO5-Pad7): U1#7.7
Board_0-unconnected-(U1-GPIO6-Pad8): U1#7.8
Board_0-unconnected-(U1-GPIO7-Pad9): U1#7.9
Board_0-unconnected-(U1-GPIO16-Pad27): U1#7.27
Board_0-unconnected-(U1-GPIO17-Pad28): U1#7.28
Board_0-unconnected-(U4-NC-Pad3): U4#12.3
Board_0-unconnected-(U4-NC-Pad5): U4#12.5
Board_0-XIN: C3#7.1 U1#7.20 X1#11.3
Board_0-XOUT: R1#6.2 U1#7.21
Board_1-+1V1: C2#2.1 C4#7.1 C5#6.1 U1#11.23 U1#11.45 U1#11.50
Board_1-+3V3: C6#5.2 C7#3.1 C8#10.1 C9#7.1 C10#11.1 C11#6.1 C12#3.1 C13#10.1 C14#4.1 C15#12.1 J1#12.1 J8#9.5 J12#8.2 L1#10.1 R2.1 R6#7.1 U1#11.1 U1#11.10 U1#11.22 U1#11.33 U1#11.42 U1#11.43 U1#11.44 U1#11.48 U1#11.49 U2#9.8 U3#3.8
Board_1-+5V: C16#11.1 C17#4.1 C18#11.1 LED1#9.5 U3#3.1 U4#3.4
Board_1-BOOT: J8#9.2 R5#4.1 SW1#5.1
Board_1-D+: J5#11.1 J8#9.3 R3#12.2
Board_1-D-: J5#11.2 J8#9.4 R4#4.2
Board_1-DBG_CLK: J7#11.1 U1#11.24
Board_1-DBG_DAT: J7#11.2 U1#11.25
Board_1-GND: C1#12.1 C2#2.2 C3.2 C4#7.2 C5#6.2 C6#5.1 C7#3.2 C8#10.2 C9#7.2 C10#11.2 C11#6.2 C12#3.2 C13#10.2 C14#4.2 C15#12.2 C16#11.2 C17#4.2 C18#11.2 J1#12.2 J8#9.6 LED1#9.2 R7#4.1 R12#8.2 SW1#5.2 U1#11.19 U1#11.57 U2#9.4 U2#9.9 U3#3.5 U4#3.2 X1#3.2 X1#3.4
Board_1-LED_CLK: U3#3.7
Board_1-LED_CLK_5V: LED1#9.4 U3#3.2
Board_1-LED_DATA: U3#3.6
Board_1-LED_DATA_5V: LED1#9.3 U3#3.3
Board_1-LED_EN: R7#4.2 U1#11.29 U3#3.4
Board_1-Net-(U1-GPIO26_ADC0): R8#10.1 U1#11.38
Board_1-Net-(U1-GPIO27_ADC1): R9#6.1 U1#11.39
Board_1-Net-(U1-GPIO28_ADC2): R10#8.1 U1#11.40
Board_1-Net-(U1-GPIO29_ADC3): R11#8.1 U1#11.41
Board_1-Net-(U1-USB_DM): R4#4.1 U1#11.46
Board_1-Net-(U1-USB_DP): R3#12.1 U1#11.47
Board_1-Net-(U4-SW): L1#10.2 U4#3.1
Board_1-Net-(X1-OSC1): C1#12.2 R1#3.1 X1#3.1
Board_1-NS_8: J10#5.1 U1#11.11
Board_1-NS_9: J10#5.2 U1#11.12
Board_1-NS_10: J9#6.1 U1#11.13
Board_1-NS_11: J9#6.2 U1#11.14
Board_1-NS_19: J11#2.1 U1#11.30
Board_1-NS_20: J11#2.2 U1#11.31
Board_1-NS_CLK: J3#6.2 R9#6.2
Board_1-NS_CMD: J4#4.1 R10#8.2
Board_1-NS_CPU: J2#4.2 U1#11.18
Board_1-NS_CPU_PD: J2#4.1 R12#8.1 U1#11.17
Board_1-NS_D0: J4#4.2 R11#8.2
Board_1-NS_RST: J3#6.1 R8#10.2
Board_1-NS_SCL: J6#7.2 U1#11.16
Board_1-NS_SDA: J6#7.1 U1#11.15
Board_1-PAD_21: J12#8.1 U1#11.32
Board_1-PAD_22: J12#8.3 U1#11.34
Board_1-PAD_23: J12#8.4 U1#11.35
Board_1-PAD_24: J12#8.5 U1#11.36
Board_1-PAD_25: J12#8.6 U1#11.37
Board_1-QSPI_CS: R5#4.2 R6#7.2 U1#11.56 U2#9.1
Board_1-QSPI_SCK: U1#11.52 U2#9.6
Board_1-QSPI_SD0: U1#11.53 U2#9.5
Board_1-QSPI_SD1: U1#11.55 U2#9.2
Board_1-QSPI_SD2: U1#11.54 U2#9.3
Board_1-QSPI_SD3: U1#11.51 U2#9.7
Board_1-RST: J8#9.1 R2.2 U1#11.26
Board_1-unconnected-(LED1-CKO-Pad6): LED1#9.6
Board_1-unconnected-(LED1-SDO-Pad1): LED1#9.1
Board_1-unconnected-(U1-GPIO0-Pad2): U1#11.2
Board_1-unconnected-(U1-GPIO1-Pad3): U1#11.3
Board_1-unconnected-(U1-GPIO2-Pad4): U1#11.4
Board_1-unconnected-(U1-GPIO3-Pad5): U1#11.5
Board_1-unconnected-(U1-GPIO4-Pad6): U1#11.6
Board_1-unconnected-(U1-GPIO5-Pad7): U1#11.7
Board_1-unconnected-(U1-GPIO6-Pad8): U1#11.8
Board_1-unconnected-(U1-GPIO7-Pad9): U1#11.9
Board_1-unconnected-(U1-GPIO16-Pad27): U1#11.27
Board_1-unconnected-(U1-GPIO17-Pad28): U1#11.28
Board_1-unconnected-(U4-NC-Pad3): U4#3.3
Board_1-unconnected-(U4-NC-Pad5): U4#3.5
Board_1-XIN: C3.1 U1#11.20 X1#3.3
Board_1-XOUT: R1#3.2 U1#11.21
Board_2-+1V1: C2#12.1 C4#10.1 C5#3.1 U1#9.23 U1#9.45 U1#9.50
Board_2-+3V3: C6.2 C7#5.1 C8#4.1 C9#2.1 C10#6.1 C11#4.1 C12.1 C13#7.1 C14#5.1 C15#6.1 J1#9.1 J8.5 J12#2.2 L1#5.1 R2#4.1 R6.1 U1#9.1 U1#9.10 U1#9.22 U1#9.33 U1#9.42 U1#9.43 U1#9.44 U1#9.48 U1#9.49 U2#7.8 U3#9.8
Board_2-+5V: C16#9.1 C17#9.1 C18#7.1 LED1#11.5 U3#9.1 U4#11.4
Board_2-BOOT: J8.2 R5#7.1 SW1#8.1
Board_2-D+: J5#5.1 J8.3 R3#10.2
Board_2-D-: J5#5.2 J8.4 R4#9.2
Board_2-DBG_CLK: J7#12.1 U1#9.24
Board_2-DBG_DAT: J7#12.2 U1#9.25
Board_2-GND: C1#2.1 C2#12.2 C3#11.2 C4#10.2 C5#3.2 C6.1 C7#5.2 C8#4.2 C9#2.2 C10#6.2 C11#4.2 C12.2 C13#7.2 C14#5.2 C15#6.2 C16#9.2 C17#9.2 C18#7.2 J1#9.2 J8.6 LED1#11.2 R7#5.1 R12#10.2 SW1#8.2 U1#9.19 U1#9.57 U2#7.4 U2#7.9 U3#9.5 U4#11.2 X1#9.2 X1#9.4
Board_2-LED_CLK: U3#9.7
Board_2-LED_CLK_5V: LED1#11.4 U3#9.2
Board_2-LED_DATA: U3#9.6
Board_2-LED_DATA_5V: LED1#11.3 U3#9.3
Board_2-LED_EN: R7#5.2 U1#9.29 U3#9.4
Board_2-Net-(U1-GPIO26_ADC0): R8#6.1 U1#9.38
Board_2-Net-(U1-GPIO27_ADC1): R9#11.1 U1#9.39
Board_2-Net-(U1-GPIO28_ADC2): R10#4.1 U1#9.40
Board_2-Net-(U1-GPIO29_ADC3): R11#12.1 U1#9.41
Board_2-Net-(U1-USB_DM): R4#9.1 U1#9.46
Board_2-Net-(U1-USB_DP): R3#10.1 U1#9.47
Board_2-Net-(U4-SW): L1#5.2 U4#11.1
Board_2-Net-(X1-OSC1): C1#2.2 R1#9.1 X1#9.1
Board_2-NS_8: J10.1 U1#9.11
Board_2-NS_9: J10.2 U1#9.12
Board_2-NS_10: J9#2.1 U1#9.13
Board_2-NS_11: J9#2.2 U1#9.14
